# Altium PCB PMSM_Driver.PcbDoc (part 2 of 4) (continued)
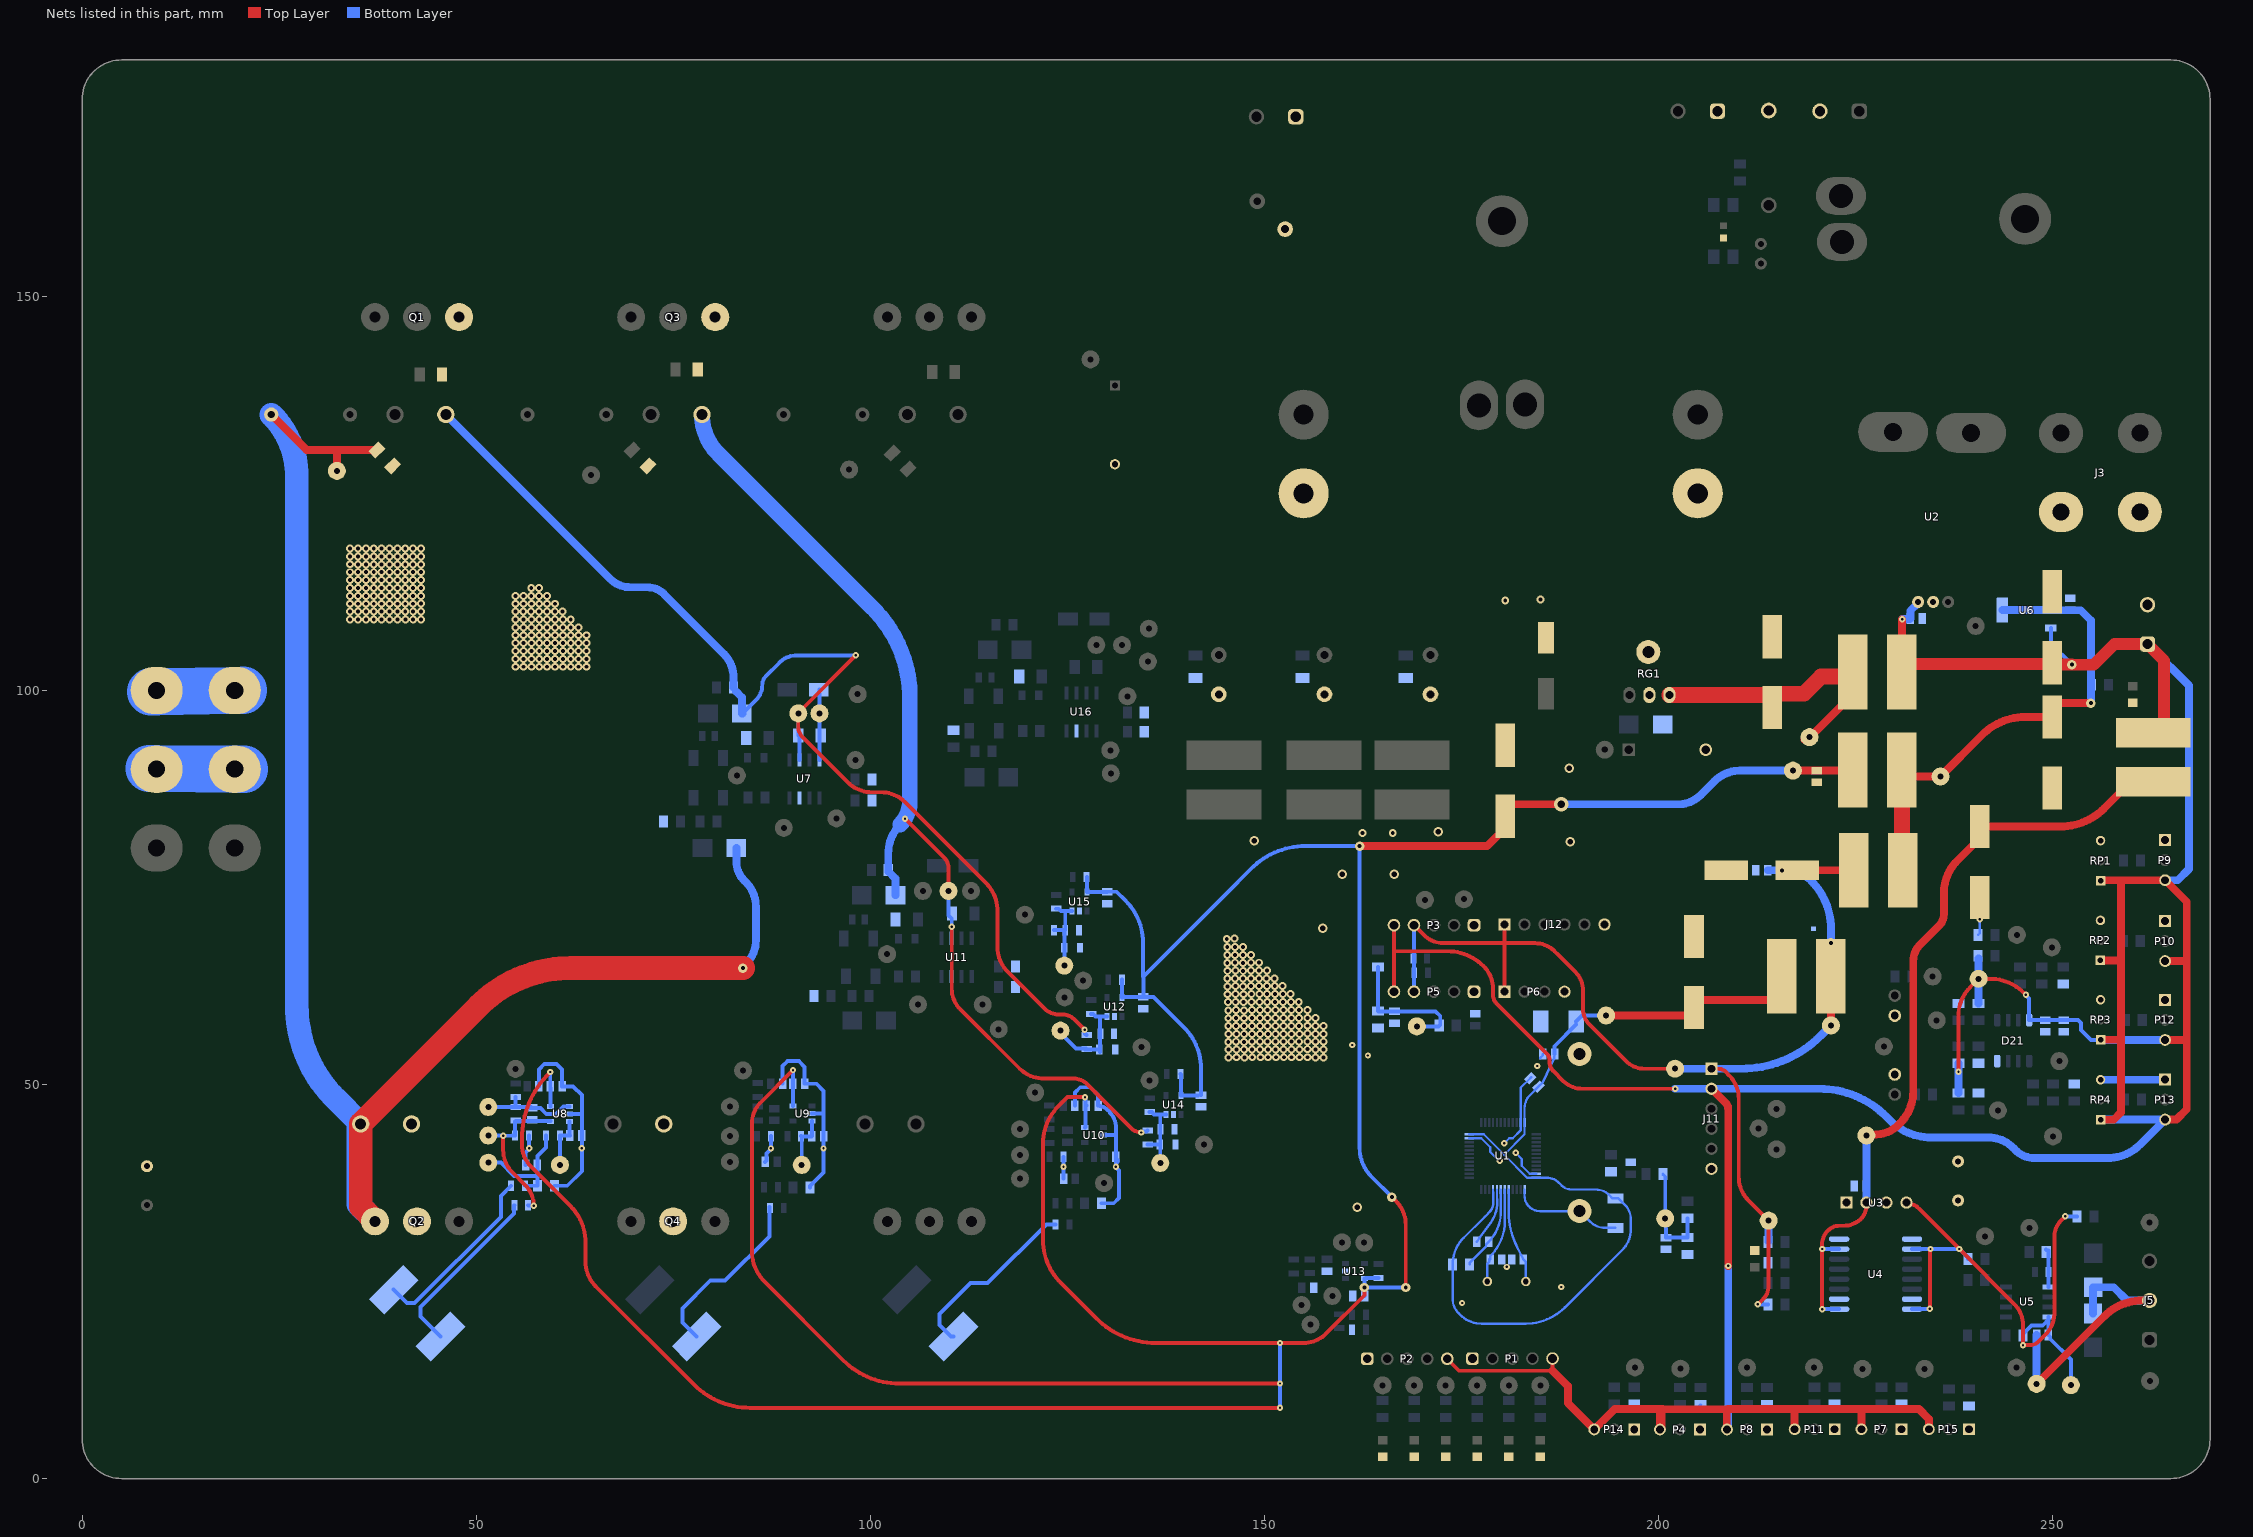
[diagram p2: the nets of this part, all layers, seen from the top]
## Nets (pads, with @x,y where several pads share a name; then routed paths per layer and width w, separated by ;. In a path a pad name is that pad's centre, name@x,y a point inside that pad or via, vN(x,y) a via of type N, cw(c..) or ccw(c..) an arc to the next point about the centre after c; other vN are vias at no path point)
+3V3: C32.1 C36.1 D13.1 J11.1 J12.1 L9.2 L10.2 P3.4 P5.4 P6.1 R13.2 R14.2 R46.1 R47.1 TP12.1 TP36.1 TP41.1 | length 147.3
  Top Layer w0.5: P3.4@168.996,70.213 170.243,68.966 ; 170.243,68.966 ccw(c172.754,71.473) 172.755,67.925 172.756,67.925 180.468,67.925 ; 180.468,67.875 180.468,61.777 P6.1@180.47,61.775 ; J12.1@180.468,70.302 180.468,67.925 ; 191.274,57.593 cw(c193.257,59.58) 190.45,59.582 190.45,61.964 ccw(c187.224,61.964) 189.503,64.247 187.255,66.495 186.849,66.901 ccw(c184.382,64.439) 184.382,67.925 180.468,67.925 ; 191.274,57.593 195.899,52.967 ; 195.9,52.967 ccw(c198.241,55.305) 198.243,51.996 199.989,51.997 199.99,51.997 TP36.1@202.126,51.997 ; J11.1@206.752,51.997 207.565,51.997 cw(c207.565,50.576) 208.571,51.578 208.924,51.226 cw(c205.889,48.164) 210.2,48.163 210.2,38.281 ccw(c214.439,38.279) 211.443,35.281 TP12.1@213.999,32.725 213.999,24.44 cw(c211.656,24.44) 213.311,22.782 v2(212.629,22.1)
  Top Layer w1: C32.1@217.625,77.175 L9.2@224.775,77.175 ; TP41.1@221.9,57.489 L10.2@221.9,63.725
  Bottom Layer w0.5: P5.4@168.996,61.773 P3.4@168.996,70.213 ; v2(212.629,22.1) R14.2@213.924,22.1 ; R13.2@213.924,30.025 R13.2@213.961,30.062 ; TP12.1@213.961,32.688 TP12.1@213.999,32.725
  Bottom Layer w1: TP36.1@202.126,51.997 J11.1@206.752,51.997 210.531,51.997 ccw(c210.535,66.175) 220.562,56.151 TP41.1@222.26,57.849 ; C36.1@213.875,77.175 v3(215.7,77.175) ; R13.2@213.961,30.062 TP12.1@213.961,32.688 ; v3@215.702,77.154 215.702,77.157 215.731,77.157 cw(c216.213,72.717) 219.371,75.875 cw(c213.279,69.775) D13.1@221.9,69.775 v3(221.9,67.975)
+3V3_All: C22.1 C23.1 C39.1 C40.1 C41.1 C59.1 C61.1 C62.1 C64.1 L8.2 R61.1 R65.1 R67.1 R68.1 TP31.1 U8.5 U9.5 U10.5 U12.5 U13.5 U14.5 U15.5 | length 531.4
  Top Layer w0.5: v2(59.401,51.575) 59.233,51.407 ccw(c67.499,43.138) 55.807,43.138 55.807,43.136 55.807,42.348 ccw(c59.747,42.363) 56.967,39.571 61.957,34.581 ; 61.957,34.581 cw(c61.603,34.228) 61.96,34.578 cw(c57.35,29.96) 63.875,29.959 63.875,29.958 63.875,29.05 63.875,27.505 ccw(c68.292,27.505) 65.17,24.38 77.616,11.934 ccw(c84.757,19.07) 84.759,8.975 v2(152,8.975) ; v2(90.198,51.825) 86.043,47.671 ccw(c88.809,45.018) 84.977,45.014 84.977,28.887 ccw(c90.499,28.885) 86.596,24.979 96.573,15.002 ccw(c103.696,22.12) 103.699,12.05 v5(152,12.05) ; v2(127.245,48.396) 125.026,48.396 123.886,47.256 ccw(c128.627,42.515) 121.922,42.514 121.922,42.512 121.922,30.28 ccw(c129.652,30.279) 124.188,24.812 128.649,20.351 ccw(c136.247,27.936) 136.253,17.2 v2(152,17.2) 154.977,17.2 ccw(c154.978,21.253) 157.846,18.389 162.712,23.255 v3(162.712,24.238) ; v3(166.2,35.7) 166.71,35.19 cw(c163.725,32.2) 167.95,32.2 v3(167.95,24.238) ; C22.1@179.555,81.522 180.575,82.542 C22.1@180.575,84.05 ; L8.2@224.592,89.825 L8.2@224.65,89.883
  Top Layer w1: v3(162.1,80.25) 178.283,80.25 C22.1@179.555,81.522 ; C22.1@180.575,84.05 180.575,84.8 181.325,85.55 v7(187.675,85.55) ; TP31.1@217.075,89.825 L8.2@224.592,89.825
  Bottom Layer w0.5: C40.1@59.401,49.575 59.426,49.55 59.426,47.25 U8.5@59.451,47.225 ; C40.1@59.401,49.769 v2(59.401,51.575) ; v2(90.198,51.825) 90.198,47.289 U9.5@90.223,47.264 ; U10.5@127.223,44.519 127.247,44.519 127.322,44.594 127.322,47.221 C41.1@127.422,47.321 127.303,47.44 127.303,48.339 v2(127.245,48.396) ; R65.1@127.485,76.325 127.485,74.437 U15.5@127.522,74.4 127.547,74.425 130.072,74.425 C61.1@130.097,74.45 131.275,74.45 132.405,73.32 cw(c127.095,68.006) 134.607,68.005 134.607,68.004 134.607,63.7 ; R61.1@131.951,63.3 131.95,61.05 132,61.05 132.025,61.075 C59.1@134.625,61.075 ; R67.1@139.376,51.325 139.413,51.288 139.413,48.637 U14.5@139.45,48.6 139.475,48.625 C62.1@141.617,48.625 ; C62.1@141.975,48.65 141.975,52.003 ccw(c134.558,52.003) 139.8,57.25 135.95,61.1 C59.1@134.65,61.1 134.65,63.7 145.016,74.066 148.343,77.393 cw(c155.237,70.504) 155.238,80.25 155.239,80.25 v3(162.1,80.25) 162.1,41.926 ccw(c167.216,41.919) 163.607,38.293 v3(166.2,35.7) ; v2(152,8.975) v5(152,12.05) v2(152,17.2) ; C64.1@162.725,23.163 162.712,23.175 v3(162.712,24.238) ; R68.1@164.5,25.442 162.904,25.442 162.825,25.363 U13.5@162.7,25.363 162.712,25.35 v3(162.712,24.238) ; v3(167.95,24.238) v3(162.712,24.238)
  Bottom Layer w1: v7(187.675,85.55) 202.504,85.55 ccw(c202.506,89.64) 205.4,86.75 207.144,88.494 cw(c210.355,85.287) 210.355,89.825 213.159,89.825 TP31.1@217.075,89.825
+5V: C8.1 C20.1 C75.1 C76.1 D21.8 J6.1 J11.2 L1.1 L7.2 P1.5 P2.5 P3.5 P4.3 P5.5 P7.3 P8.3 P9.3 P10.3 P11.3 P12.3 P13.3 P14.3 P15.3 R90.2 R91.2 R111.2 R113.2 RP1.1 RP2.1 RP3.1 RP4.1 TP90.1 U2.1 U6.3 | length 489.9
  Top Layer w0.5: P5.5@166.456,61.773 166.456,66.907 ; P3.5@166.456,70.213 166.456,66.907 ; P2.5@173.216,15.196 173.216,15.184 174.724,13.676 186.571,13.676 P1.5@186.571,15.221 ; 186.67,51.709 cw(c187.799,52.842) 186.2,52.844 186.2,53.11 ccw(c185.12,53.11) 185.884,53.874 185.881,53.876 179.457,60.301 cw(c180.528,61.376) 179.01,61.379 179.01,62.173 ccw(c175.016,62.175) 177.835,65.004 ccw(c173.242,60.41) 173.239,66.907 166.456,66.907 ; 186.67,51.709 187.921,50.459 ccw(c190.337,52.871) 190.338,49.457 190.339,49.457 v2(202.126,49.457) ; 200.387,8.695 200.518,8.825 ; P8.3@208.672,6.22 208.682,6.229 P8.3@208.713,6.229 ; 208.842,8.777 208.87,8.804 208.891,8.825 ; 217.295,8.81 217.31,8.825 ; v2(238.084,51.613) 238.062,51.635 238.062,58.686 238.062,58.687 cw(c243.232,58.687) 239.578,62.344 TP90.1@240.642,63.409 242.064,63.409 cw(c242.066,57.282) 246.401,61.611 246.404,61.609 v2(246.641,61.372)
  Top Layer w1: 186.571,13.676 188.525,11.722 188.525,9.562 P14.3@191.862,6.225 194.462,8.825 200.518,8.825 ; P4.3@200.205,6.22 200.205,8.746 ; 200.253,8.795 208.672,8.795 208.672,6.27 P8.3@208.713,6.229 ; P4.3@200.387,6.25 200.387,8.695 ; J11.2@206.752,49.457 208.534,47.675 cw(c207.71,46.851) 208.875,46.851 v2(208.875,26.975) ; 208.844,8.804 208.87,8.804 217.217,8.804 ; P11.3@217.295,6.251 217.295,8.81 ; 217.31,8.825 225.77,8.825 ; P7.3@225.77,6.25 225.77,8.825 ; L7.2@230.9,102.35 v2@230.9,109.001 ; P15.3@234.325,6.25 234.325,7.564 233.064,8.825 225.77,8.825 ; RP2.1@256.101,65.734 258.686,65.734 ; RP4.1@256.111,45.519 257.768,45.519 258.686,46.437 258.686,55.669 ; RP3.1@256.111,55.669 258.686,55.669 ; RP1.1@256.171,75.919 258.686,75.919 ; P13.3@264.306,45.544 265.744,45.544 267.05,46.85 267.05,55.861 ; P12.3@264.306,55.644 266.834,55.644 267.05,55.861 ; P10.3@264.306,65.654 266.996,65.654 267.05,65.6 ; 258.686,55.669 258.686,65.734 ; 258.686,65.734 258.686,75.919 ; 258.686,75.919 P9.3@264.306,75.919 267.05,73.175 267.05,65.6 ; 267.05,55.861 267.05,65.6
  Top Layer w1.5: L7.2@230.9,102.35 231.898,103.348 249.398,103.348 249.75,103.7 C20.1@250.075,103.375 ; C20.1@249.981,103.472 250.201,103.251 255.238,103.251 257.862,105.875 J6.1@262.075,105.875 264.175,103.775 264.175,95.775 263.05,94.65 L1.1@262.8,94.65 ; C20.1@250,103.5 250.225,103.275 v3(252.475,103.275)
  Bottom Layer w0.5: v2(246.641,61.372) 246.641,61.291 247.046,60.886 D21.8@247.046,58.168 247.05,58.172 251.416,58.172 C75.1@251.42,58.176 253.235,58.176 253.626,57.785 253.626,56.915 254.871,55.669 RP3.1@256.111,55.669 ; U6.3@249.8,107.9 249.825,107.875 249.825,105.925 v3(252.475,103.275)
  Bottom Layer w1: v2(202.126,49.457) J11.2@206.752,49.457 220.417,49.457 cw(c220.417,37.433) 228.921,45.933 228.922,45.932 229.422,45.432 229.423,45.431 ccw(c234.625,50.63) 234.626,43.275 234.629,43.275 241.872,43.275 cw(c241.872,38.802) 245.037,41.963 ccw(c247.792,44.198) 247.794,40.65 256.962,40.65 ccw(c256.964,46.558) 261.144,42.382 P13.3@264.306,45.544 264.293,45.532 256.143,45.532 RP4.1@256.131,45.519 ; P8.3@208.713,6.229 208.809,6.325 208.809,6.678 208.875,6.744 v2(208.875,26.975) ; v2(230.945,109.046) C8.1@231.904,109.046 ; C8.1@231.98,109.121 231.98,110.091 232.968,111.079 U2.1@232.968,111.221 ; R111.2@238.084,48.899 238.084,48.978 v2(238.084,51.613) ; v2(238.084,51.613) R91.2@238.084,52.692 ; R90.2@240.642,60.293 TP90.1@240.642,63.409 240.642,65.996 R113.2@240.654,66.008 ; RP3.1@256.118,55.637 264.298,55.637 P12.3@264.306,55.644 ; J6.1@262.075,105.875 262.55,105.4 267.325,100.625 267.325,77.35 265.894,75.919 P9.3@264.306,75.919
+5V_ISO: C10.1 R12.2 R15.2 R16.2 TP11.1 U3.4 U4.10 U4.16 U5.8 | length 77.2
  Top Layer w0.5: U3.4@231.644,35.07 231.738,34.976 231.872,34.842 cw(c231.872,33.402) 232.893,34.418 233.121,34.19 238.138,29.172 245.152,22.159 cw(c242.448,19.45) 246.276,19.449 246.276,19.447 v2(246.276,16.917) 247.121,16.917 ccw(c247.123,18.507) 248.249,17.384 249.067,18.202 ccw(c246.156,21.116) 250.275,21.116 250.275,30.813 250.274,30.814 cw(c252.883,30.814) 251.04,32.66 v2(251.64,33.26) ; v2(234.45,21.525) 234.492,21.567 234.492,29.073 v2(234.535,29.115)
  Bottom Layer w0.5: U4.16@232.185,21.495 232.2,21.51 234.435,21.51 v2(234.45,21.525) ; U4.10@232.185,29.115 v2(234.535,29.115) v2(238.196,29.115) 238.205,29.115 239.274,28.046 R16.2@239.274,27.87 ; v2(246.276,16.917) 246.276,18.347 247.343,19.414 248.773,19.414 249.512,20.153 U5.8@249.512,20.515 ; 249.5,20.153 C10.1@249.5,18.21 249.725,17.985 249.725,17.717 252.34,15.102 TP11.1@252.34,12.4 ; v2(251.64,33.26) R12.2@253.104,33.26
+5V_RS: C2.1 C3.1 L1.2 TP25.1 U3.2 U4.1 U4.7 | length 99.9
  Top Layer w0.5: v2(220.781,21.475) v2(220.781,29.115) 220.781,29.677 220.781,29.679 cw(c223.314,29.679) 221.524,31.471 cw(c222.982,30.014) 222.982,32.075 223.532,32.075 223.533,32.075 ccw(c223.534,35.187) 225.625,32.882 ccw(c224.02,34.64) 226.4,34.64 U3.2@226.4,35.01
  Top Layer w0.8: TP25.1@226.4,43.526 226.544,43.67 227.594,43.67 ; 236.225,71.609 236.225,71.61 ; 236.225,74.861 236.225,74.863 ; C2.1@240.775,81.232 C2.1@240.775,82.725 ; L1.2@258.55,87.014 258.55,87.025 259.925,88.4 L1.2@262.8,88.4
  Top Layer w1: 227.594,43.67 ccw(c227.596,47.688) 230.439,44.848 230.683,45.092 ccw(c226.664,49.114) 232.35,49.114 232.35,65.665 cw(c235.27,65.665) 233.207,67.732 235.617,70.142 ccw(c234.154,71.608) 236.225,71.609 ; 236.225,71.61 236.225,74.272 ; 236.225,74.861 236.225,74.272 ; C2.1@240.775,81.232 237.933,78.39 ccw(c242.042,74.273) 236.225,74.272 ; C2.1@240.775,82.725 250.997,82.725 ccw(c250.999,90.602) 256.57,85.034 L1.2@258.55,87.014
  Bottom Layer w0.5: v2(220.781,21.475) 220.791,21.485 222.925,21.485 U4.1@222.935,21.495 ; v2(220.781,29.115) U4.7@222.935,29.115
  Bottom Layer w1: U3.2@226.4,35.01 TP25.1@226.4,43.126
GND: BT1.1 C1.2 C2.2 C3.2 C4.2 C5.2 C6.2 C7.2 C8.2 C9.2 C11.2 C12.1 C13.1 C14.1 C15.2 C16.1 C17.2 C18.2 C19.1 C20.2 C21.2 C22.2 C23.2 C25.1 C27.1 C30.2 C31.2 C32.2 C33.1 C34.2 C35.2 C36.2 C37.2 C38.2 C39.2 C40.2 C41.2 C42.1 C43.1 C44.1 C46.2 C48.2 C50.1 C52.2 C54.2 C55.2 C56.2 C59.2 C60.1 C61.2 C62.2 C63.1 C64.2 C65.1 C66.1 C67.2 C68.2 C69.2 C71.1 C75.2 C76.2 C77.2 D1.2 D2.2 D3.2 D4.2 D5.2 D6.2 D7.2 D10.2 D12.2 D13.2 D21.4 J2.2 J3.1 J4.1 J6.2 J7.1 J11.6 J12.6 LED1.1 LED2.1 P1.1 P2.1 P3.1 P4.1 P5.1 P6.4 P7.1 P8.1 P9.1 P10.1 P11.1 P12.1 P13.1 P14.1 P15.1 R9.2 R17.1 R19.1 R24.1 R28.1 R29.1 R33.1 R36.1 R37.1 R51.2 R53.2 R54.1 R55.2 R56.1 R59.1 R62.2 R64.1 R73.1 R79.2 R80.2 R81.2 R83.2 R84.2 R87.2 R97.1 R98.1 R104.2 R105.1 R106.1 R108.1 R109.1 R110.1 R117.1 R118.2 R119.1 R120.1 R121.1 R122.1 R123.1 R124.1 R126.2 RG1.2 RP1.3 RP2.3 RP3.3 RP4.3 U1.8 U1.23 U1.35 U1.47 U2.2 U3.1 U4.2 U4.8 U6.1 U7.3 U8.2 U9.2 U10.2 U11.3 U12.2 U13.2 U14.2 U15.2 U16.3 VD1.2 VD2.1 ZD3.1 | length 192.1
  Bottom Layer w0.3: C77.2@124.425,38.157 124.518,38.063 C77.2@124.531,38.05 ; U1.23@176.025,43.175 177.525,43.175 178.677,42.023 178.677,41.446 179.796,40.327 v2(179.873,40.327) ; C9.2@176.965,30.025 177.285,30.55 178.69,32.423 ccw(c175.339,34.935) 179.48,34.315 179.544,34.736 ccw(c176.43,35.154) 179.546,34.755 179.546,34.774 ccw(c179.246,34.775) 179.546,34.779 179.527,36.272 U1.8@179.523,36.658 ; v2(180.439,42.523) 181.091,43.175 181.525,43.175 182.525,44.175 U1.35@182.525,45.175 182.525,49.579 C38.2@183.738,50.791 C38.2@183.879,50.933 ; v2(181.896,41.327) 182.677,40.546 182.677,39.675 183.675,38.677 184.523,38.677 U1.47@184.525,38.675 ; C35.2@185,53.349 185.325,53.674 C35.2@185.325,53.874 ; R119.1@240.58,68.984 240.775,69.179 v2(240.775,70.975)
  Bottom Layer w0.5: R36.1@45.47,18.03 42.95,20.55 42.95,21.75 54.816,33.616 54.816,34.641 R123.1@54.849,34.675 ; C37.2@56.278,39.785 56.278,41.345 56.752,41.819 v2(56.752,41.9) 56.717,41.935 56.717,43.49 R51.2@56.683,43.525 ; C52.2@57.956,49.769 57.956,51.92 58.635,52.6 60.175,52.6 60.901,51.875 C40.2@60.901,49.769 62.301,49.769 63.401,48.669 63.401,46.275 ; R37.1@59.95,37.15 61.559,37.15 63.401,38.992 v2(63.401,41.9) C46.2@63.401,43.525 63.401,46.275 ; U8.2@61.851,46.275 63.401,46.275 ; R64.1@77.97,18.03 76.2,19.8 76.2,21.6 79.7,25.1 81.587,25.1 87.2,30.713 R122.1@87.2,34.48 ; C67.2@86.674,40.189 86.833,40.348 86.833,41.24 87.399,41.805 v2(87.399,41.886) R53.2@87.399,43.44 ; C56.2@88.873,50.089 88.873,52.342 89.481,52.95 90.939,52.95 91.673,52.217 C39.2@91.673,50.089 93.173,50.089 94.073,49.189 94.073,46.315 ; R73.1@92.376,36.95 92.376,37.126 94.072,38.822 v2(94.072,41.886) C48.2@94.073,43.44 94.073,46.315 ; U9.2@92.623,46.314 94.072,46.314 ; R117.1@110.57,18.03 110.27,18.03 108.8,19.5 108.8,20.875 112.725,24.8 114.9,24.8 122.343,32.243 R124.1@123.522,32.243 ; C77.2@124.518,38.05 124.518,38.063 v2(124.518,39.544) R55.2@124.518,40.821 ; C55.2@125.972,47.321 125.972,48.972 126.65,49.65 127.918,49.65 128.922,48.646 C41.2@128.922,47.321 129.147,47.287 cw(c128.733,45.297) 130.418,46.435 ccw(c130.831,46.716) 130.46,46.382 cw(c128.404,44.528) 131.172,44.528 131.172,43.569 ; R121.1@129.351,34.925 130.897,34.925 131.575,35.603 131.575,39.1 131.172,39.503 C54.2@131.172,40.171 ; U10.2@129.623,43.569 131.172,43.569 ; C54.2@131.397,40.171 131.397,40.396 131.172,40.396 C54.2@131.172,40.821 131.172,43.569 ; R62.2@205.285,9.209 R62.2@205.345,9.269 ; P13.1@264.281,50.599 P13.1@264.306,50.624
  Bottom Layer w1: RP4.3@256.131,50.599 P13.1@264.281,50.599
  other v1: 145.475,53.425 147.475,53.425 156.5,53.425 157.5,53.425 146.475,53.45 148.475,53.45 149.5,53.45 150.475,53.45 151.475,53.45 152.475,53.45 153.475,53.45 154.475,53.45 155.477,53.451 145.45,54.425 147.45,54.425 146.45,54.45 148.45,54.45 149.475,54.45 150.45,54.45 151.45,54.45 152.45,54.45 153.45,54.45 154.45,54.45 156.5,54.45 157.5,54.45 155.477,54.476 145.425,55.4 147.425,55.4 146.425,55.425 148.425,55.425 149.45,55.425 150.425,55.425 151.425,55.425 152.425,55.425 153.425,55.425 154.425,55.425 156.5,55.425 157.5,55.425 155.477,55.451 145.45,56.4 147.45,56.4 146.45,56.425 148.45,56.425 149.475,56.425 150.45,56.425 151.45,56.425 152.45,56.425 153.45,56.425 154.45,56.425 156.5,56.425 157.5,56.425 155.477,56.451 145.425,57.4 147.425,57.4 146.425,57.425 148.425,57.425 149.45,57.425 150.425,57.425 151.425,57.425 152.425,57.425 153.425,57.425 154.425,57.425 156.5,57.425 157.5,57.425 155.477,57.451 145.425,58.4 147.425,58.4 146.425,58.425 148.425,58.425 149.45,58.425 150.425,58.425 151.425,58.425 152.425,58.425 153.425,58.425 154.425,58.425 156.5,58.425 155.477,58.451 145.425,59.4 147.425,59.4 146.425,59.425 148.425,59.425 149.45,59.425 150.425,59.425 151.425,59.425 152.425,59.425 153.425,59.425 154.425,59.425 155.477,59.451 145.375,60.45 147.375,60.45 146.375,60.475 148.375,60.475 149.4,60.475 150.375,60.475 151.375,60.475 152.375,60.475 153.375,60.475 154.375,60.475 145.35,61.45 147.35,61.45 146.35,61.475 148.35,61.475 149.375,61.475 150.35,61.475 151.35,61.475 152.35,61.475 153.35,61.475 145.325,62.45 147.325,62.45 146.325,62.475 148.325,62.475 149.35,62.475 150.325,62.475 151.325,62.475 152.325,62.475 145.3,63.425 147.3,63.425 146.3,63.45 148.3,63.45 149.325,63.45 150.3,63.45 151.3,63.45 145.325,64.425 147.325,64.425 146.325,64.45 148.325,64.45 149.35,64.45 150.325,64.45 145.3,65.425 147.3,65.425 146.3,65.45 148.3,65.45 149.325,65.45 145.3,66.425 147.3,66.425 146.3,66.45 148.3,66.45 145.3,67.425 147.3,67.425 146.3,67.45 145.234,68.475 146.234,68.5
  other v2: 175.098,22.275 187.675,24.3 180.75,26.85 131.172,39.542 184.625,52.35
  other v4: 161.815,34.43 157.4,69.8 159.9,76.7 166.475,76.7 188.8,80.775 148.723,80.9 172.1,82.075 188.681,90.1
  other v5: 163.15,53.671 161.175,55
  other v6: 162.472,81.885 166.3,81.925 180.575,111.4 185.05,111.525
GND_2: C10.2 C60.2 J5.2 R22.1 R23.1 TP26.1 U3.3 U4.9 U4.15 U5.5 ZD1.1 ZD2.1 | length 40.7
  Top Layer w1: TP26.1@248,12.016 256.564,20.58 cw(c261.414,15.734) 261.414,22.59 J5.2@262.32,22.59
  Bottom Layer w0.5: R23.1@249.216,29.044 R23.1@249.252,29.008 ; U5.5@249.512,24.325 R23.1@249.512,28.931
  Bottom Layer w1: TP26.1@247.84,11.856 TP26.1@248,12.016 C10.2@248,18.21 ; ZD2.1@255.15,20.95 255.165,20.965 255.165,24.26 ZD1.1@255.18,24.275 257.789,24.275 259.475,22.59 J5.2@262.32,22.59
NetBT1_2: BT1.2 D14.1 U1.1 | length 13.9
  Bottom Layer w0.3: U1.1@183.025,36.675 183.025,35.867 183.025,35.865 ccw(c184.932,35.865) 183.584,34.516 ; 183.585,34.515 ccw(c184.985,35.916) 184.986,33.935 184.987,33.935 BT1.2@189.725,33.935 ; BT1.2@190,33.935 191.341,32.594 ccw(c193.262,34.511) 193.262,31.797 ; 193.263,31.797 D14.1@194.556,31.797
NetC1_1: C1.1 U1.5 Y1.2 | length 12.2
  Bottom Layer w0.3: U1.5@181.025,36.675 181.025,33.672 ccw(c190.091,33.672) 181.709,30.217 ccw(c202.963,38.993) C1.1@182.877,27.8 183.19,27.487 Y1.2@183.19,25
NetC4_1: C4.1 U1.6 Y1.1 | length 12.3
  Bottom Layer w0.3: Y1.1@178.31,25 178.31,27.287 178.559,27.536 C4.1@178.559,27.8 ; C4.1@178.671,27.8 178.671,28.204 ccw(c174.185,32.69) 180.525,32.913 cw(c180.825,32.921) 180.525,32.919 U1.6@180.525,36.675
NetC9_1: C9.1 R34.1 U1.7 | length 10.9
  Bottom Layer w0.3: R34.1@176.051,27.169 176.051,27.345 178.135,29.429 178.135,29.7 C9.1@178.46,30.025 ccw(c174.485,33.884) 180.025,33.884 180.026,34.576 180.026,36.228 U1.7@180.025,36.675
NetC16_2: C16.2 R7.1 R17.2 R127.2 TP13.1 | length 18
  Bottom Layer w0.5: R7.1@164.45,64.899 R17.2@164.45,59.315 164.501,59.264 C16.2@166.525,59.264 171.751,59.264 172.329,58.686 172.329,57.604 R127.2@172.2,57.475 ; TP13.1@169.354,57.371 172.122,57.371 R127.2@172.278,57.528
NetC19_2: C19.2 R10.1 R19.2 R128.1 TP16.1 | length 13.9
  Bottom Layer w0.4: TP16.1@199.96,32.95 TP16.1@200.35,32.56 ; R128.1@200.576,38.625 200.875,38.326 TP16.1@200.875,33
  Bottom Layer w0.5: TP16.1@200.425,32.86 cw(c199.106,31.536) 200.975,31.536 C19.2@200.975,30.575 200.988,30.588 203.704,30.588 R19.2@203.717,30.601 203.7,30.618 R10.1@203.7,33.024
NetC21_1: C21.1 L7.1 RG1.3 TP27.1 | length 37.1
  Top Layer w1: TP27.1@218.514,93.748 218.862,93.748 219.505,94.391 219.566,94.391 224.65,99.475 L7.1@224.65,102.35
  Top Layer w2: RG1.3@201.392,99.414 C21.1@214.2,99.414 ; C21.1@214.45,97.825 214.45,99.325 214.7,99.575 218.475,99.575 220.65,101.75 224.05,101.75 L7.1@224.65,102.35
NetC24_1: C24.1 C28.1 C29.2 J8.1 Q1.3 Q2.2 R26.1 R66.1 TP35.1 U7.6 VD3.1 VD4.2 ZD4.1 | length 160.2
  Top Layer w0.5: v2(98.15,104.45) 98.15,104.409 90.869,97.129 TP35.1@90.869,97.088 90.869,95.399 90.869,95.398 ccw(c92.719,95.397) 91.413,94.087 97.179,88.321 ccw(c100.176,91.314) 100.179,87.078 101.411,87.078 101.412,87.078 cw(c101.413,82.831) 104.418,85.832 114.668,75.582 cw(c111.095,72.003) 116.152,72.003 116.152,67.393 116.152,67.391 ccw(c120.479,67.39) 117.421,64.329 122.149,59.601 ; 122.149,59.601 ccw(c123.899,61.348) 123.902,58.875 124.459,58.875 cw(c124.459,56.915) 125.847,58.299 126.358,57.788 v2(127.196,56.95)
  Bottom Layer w0.5: ZD4.1@83.814,97.088 85.524,98.798 ccw(c83.657,100.669) 86.3,100.665 cw(c87.945,100.669) 86.783,101.833 88.464,103.514 cw(c90.722,101.259) 90.722,104.45 v2(98.15,104.45) ; C28.1@90.869,94.288 TP35.1@90.869,96.703 ; C28.1@91.02,94.288 91.02,91.192 U7.6@91.024,91.188 ; v2(127.196,56.95) 127.254,56.893 127.254,56.382 127.328,56.382 R66.1@127.456,56.254
  Bottom Layer w1: VD3.1@46.15,135 66.98,114.17 ccw(c69.592,116.776) 69.593,113.086 69.596,113.089 71.734,113.089 cw(c71.735,110.127) 73.836,112.214 81.427,104.623 81.428,104.622 cw(c78.516,101.702) 82.64,101.696 R26.1@82.64,100.388 ; R26.1@82.968,99.884 83.714,99.138 ZD4.1@83.714,97.088 ZD4.1@83.814,97.088
  Bottom Layer w6: J8.1@8.725,99.824 9.463,99.836 J8.1@19.366,100 J8.1@20.449,100.018
  other v1: 34,109 35,109 36,109 37,109 38,109 39,109 40,109 41.011,109.011 42.011,109.011 43.011,109.011 34,110 35,110 36,110 37,110 38,110 39,110 40,110 41,110 42.011,110.011 43.011,110.011 34,111 35,111 36,111 37,111 38,111 39,111 40,111 41,111 42,111 43.011,111.011 34,112 35,112 36,112 37,112 38,112 39,112 40,112 41,112 42,112 43,112 34,113 35,113 36,113 37,113 38,113 39,113 40,113 41,113 42,113 43,113 34,114 35,114 36,114 37,114 38,114 39,114 40,114 41,114 42,114 43,114 34,115 35,115 36,115 37,115 38,115 39,115 40,115 41,115 42,115 43,115 35,116 36,116 37,116 38,116 39,116 40,116 41,116 42,116 43,116 34.011,116.011 36,117 37,117 38,117 39,117 40,117 41,117 42,117 43,117 34.011,117.011 35.011,117.011 34.011,118.011 35.011,118.011 36.011,118.011 37,118 38,118 39,118 40,118 41,118 42,118 43,118
NetC26_2: C26.2 C29.1 Q2.3 R35.2 R36.2 TP38.1 VD4.1 ZD5.1 | length 233.8
  Top Layer w1: C26.2@23.962,135.037 C26.2@24,135 28.492,130.508 32.204,130.508 ; TP38.1@32.325,127.856 32.325,130.387 32.204,130.508 ; Q2.3@37.166,32.635 Q2.3@37.166,32.683 ; C29.1@37.392,130.508 37.216,130.331 37.003,130.331 36.827,130.508 32.204,130.508 ; 61.986,64.775 61.988,64.775
  Top Layer w3: VD4.1@35.35,44.955 35.35,34.499 Q2.3@37.166,32.683 ; VD4.1@35.35,45 50.271,59.921 cw(c61.979,48.227) 61.986,64.775 ; 61.988,64.775 v3(83.85,64.775)
  Bottom Layer w0.5: R36.2@39.53,23.97 41.225,22.275 42.2,22.275 53.135,33.21 53.135,35.855 R35.2@54.43,37.15
  Bottom Layer w1: C26.2@24,135 C26.2@24.005,134.995 ; 32.08,48.27 32.081,48.269 ; 35.909,33.94 37.166,32.683 Q2.3@37.166,32.635 ; ZD5.1@83.014,79.988 83.014,78.286 83.014,78.284 ccw(c86.388,78.283) 84.004,75.896 84.005,75.895 84.198,75.702 84.201,75.699 cw(c81.109,72.606) 85.483,72.606 85.483,68.24 85.483,68.238 cw(c81.378,68.237) 84.279,65.333 83.85,64.904 v3(83.85,64.775)
  Bottom Layer w3: C26.2@24.005,134.995 cw(c16.154,127.154) 27.25,127.154 27.25,59.932 ccw(c43.735,59.928) 32.08,48.27 ; 32.081,48.269 VD4.1@35.35,45 35.025,44.675 35.025,34.824 35.909,33.94
NetC28_2: C28.2 D9.1 TP29.1 U7.8 | length 8.9
  Bottom Layer w0.5: U7.8@93.564,91.188 93.564,94.288 TP29.1@93.564,97.088 D9.1@93.564,100.088
NetC30_1: C30.1 C31.1 L8.1 L9.1 R31.2 TP34.1 U6.2 U6.4 | length 62.8
  Top Layer w0.5: L9.1@230.9,77.3 L9.1@231.025,77.175 ; L8.1@230.9,89.075 L8.1@230.9,89.883
  Top Layer w1: L8.1@230.9,89.075 TP34.1@235.8,89.075 241.102,94.377 cw(c246.526,88.957) 246.527,96.625 246.53,96.625 C30.1@250,96.625 ; C30.1@250.02,96.653 250.02,97.65 250.77,98.4 v3(254.875,98.4)
  Top Layer w2: L9.1@230.9,77.3 L8.1@230.9,89.075
  Bottom Layer w1: U6.4@243.65,110.2 U6.2@249.8,110.2 ; U6.2@250.025,110.175 C31.1@252.275,110.175 253.6,110.175 254.875,108.9 v3(254.875,98.4)
NetC33_2: C33.2 C34.1 C35.1 C38.1 D14.2 L10.1 R34.2 TP40.1 U1.9 U1.24 U1.36 U1.48 | length 122.2
  Top Layer w0.5: C34.1@203.505,58.75 204.525,59.77 C34.1@204.525,59.775
  Top Layer w1: TP40.1@193.375,58.75 C34.1@203.505,58.75 ; C34.1@204.505,59.775 204.505,60.7 214.275,60.7 215.65,62.075 L10.1@215.65,63.725
  Bottom Layer w0.3: 173.899,22.798 ccw(c176.485,22.797) 174.657,20.968 174.858,20.767 ccw(c177.553,23.459) 177.555,19.65 183.152,19.65 ; 173.899,22.799 R34.2@173.899,27.169 cw(c178.68,27.169) 175.297,30.547 177.98,33.197 178.407,33.625 178.595,33.845 ccw(c177.505,34.935) 179.047,34.936 179.029,36.349 179.027,36.349 U1.9@179.025,36.675 ; U1.24@176.025,43.675 176.027,43.673 177.856,43.673 180.439,41.089 ; 183.025,46.993 U1.36@183.025,45.175 183.025,43.675 180.439,41.089 ; 183.025,46.994 cw(c185.35,46.994) 183.707,48.64 C38.1@184.798,49.731 185.324,50.256 186.798,53.357 C35.1@186.825,53.874 ; 183.154,19.65 ccw(c183.155,26.701) 188.141,21.716 195.425,29 ccw(c192.811,31.623) 196.514,31.625 196.514,32.91 ccw(c193.969,32.91) 195.767,34.711 194.931,35.547 194.181,35.547 193.761,35.967 ccw(c192.054,34.263) 192.054,36.675 188.94,36.675 ; 187.742,37.171 187.392,37.521 ccw(c185.815,35.947) 185.815,38.175 U1.48@184.525,38.175 183.353,38.175 180.439,41.089 ; 187.742,37.171 ccw(c188.939,38.366) 188.939,36.675 ; C33.2@189.575,57.6 C33.2@189.575,58
  Bottom Layer w0.5: C35.1@186.825,53.874 186.825,54.85 C33.2@189.575,57.6 ; C33.2@189.575,58 190.325,58.75 TP40.1@193.375,58.75
NetC37_1: C37.1 R35.1 R37.2 R39.2 TP42.1 | length 15.5
  Bottom Layer w0.5: TP42.1@51.535,39.785 51.825,40.075 53.135,40.075 54.805,38.404 57.788,38.404 ; R35.1@56.181,37.15 R37.2@57.798,37.15 ; R37.2@57.798,37.15 57.788,37.16 57.788,38.404 ; R39.2@58.875,43.525 58.875,42.001 57.791,40.917 57.791,39.798 C37.1@57.778,39.785 57.788,39.775 57.788,38.404
NetC42_2: C42.2 R66.2 R69.2 R79.1 TP71.1 U12.3 | length 14.5
  Bottom Layer w0.5: TP71.1@123.941,56.32 123.429,56.832 TP71.1@124.145,56.832 ; TP71.1@124.675,56.832 124.573,56.73 124.573,56.093 126.098,54.567 127.391,54.567 R66.2@127.456,54.502 ; R66.2@127.219,54.464 129.135,54.464 C42.2@129.174,54.425 ; R69.2@128.025,58.949 128.301,58.949 128.6,58.65 129.075,58.65 ; C42.2@129.174,54.124 C42.2@129.174,54.425 ; U12.3@130.05,58.65 129.075,58.65 ; 129.075,58.65 129.174,58.551 129.174,56.45 C42.2@129.174,54.425
NetC43_2: C43.2 R70.2 R72.2 R80.1 TP72.1 U15.3 | length 11
  Bottom Layer w0.5: R70.2@123.326,69.575 R80.1@124.746,69.575 124.746,69.957 124.746,72 ; R72.2@123.597,72.299 123.873,72.299 124.172,72 124.746,72 ; TP72.1@124.622,64.45 C43.2@124.622,67.349 ; C43.2@124.622,67.351 124.622,67.726 R80.1@124.623,69.452 ; U15.3@125.622,72 124.746,72
NetC44_2: C44.2 R71.2 R74.2 R81.1 TP73.1 U14.3 | length 10.5
  Bottom Layer w0.5: R71.2@135.207,42.402 135.218,42.391 136.573,42.391 136.8,42.164 TP73.1@136.8,40.032 TP73.1@136.8,39.4 ; R74.2@135.45,46.499 135.726,46.499 136.025,46.2 136.788,46.2 ; C44.2@136.8,42.38 136.8,46.187 136.788,46.2 ; U14.3@137.55,46.2 136.788,46.2
NetC45_1: C45.1 C57.1 C58.2 J9.1 Q3.3 Q4.2 R45.1 R71.1 TP60.1 U11.6 VD5.1 VD6.2 ZD6.1 | length 142.2
  Top Layer w0.5: v2(104.404,83.729) 109.53,78.603 cw(c108.288,77.525) 109.932,77.524 109.932,77.522 TP60.1@109.932,74.555 ; v2(110.341,70.015) 110.341,62.156 110.341,62.154 ccw(c114.038,62.153) 111.426,59.537 118.907,52.056 ccw(c122.057,55.201) 122.059,50.75 125.77,50.75 cw(c125.77,48.219) 127.562,50.006 ; 127.562,50.006 132.642,44.926 133.095,44.473 133.147,44.421 ccw(c134.407,45.678) v2(134.407,43.898)
  Bottom Layer w0.5: TP60.1@109.932,74.555 109.932,71.462 110.341,71.053 v2(110.341,70.015) U11.6@110.341,68.548 ; v2(134.407,43.898) 134.488,43.898 134.616,44.026 135.079,44.026 R71.1@135.207,44.154
  Bottom Layer w1: VD5.1@78.65,134.995 VD5.1@78.65,135 ; R45.1@102.291,77.039 103.216,76.114 ZD6.1@103.216,74.015 ; R45.1@102.291,77.215 102.291,79.315 cw(c107.455,79.319) 103.804,82.972 103.806,82.974 ; 105.024,99.794 cw(c104.025,99.749) 105.025,99.749 ; 105.025,85.915 105.025,85.917
  Bottom Layer w2: VD5.1@78.65,134.995 ccw(c85.639,134.995) 80.704,130.046 100.309,110.441 ; 100.309,110.441 cw(c88.925,99.032) 105.024,99.794 ; 103.806,82.974 ccw(c100.869,85.914) 105.025,85.915 ; 105.025,85.917 105.025,99.749
  Bottom Layer w6: J9.1@8.525,90.1 9.461,90.091 19.366,89.997 J9.1@20.574,89.985
  other v1: 55,103 56,103 57,103 58,103 59,103 60,103 61,103 62,103 63,103 64,103 55,104 56,104 57,104 58,104 59,104 60,104 61,104 62,104 63,104 64,104 55,105 56,105 57,105 58,105 59,105 60,105 61,105 62,105 63,105 64,105 55,106 56,106 57,106 58,106 59,106 60,106 61,106 62,106 63,106 64,106 55,107 56,107 57,107 58,107 59,107 60,107 61,107 62,107 63,107 64,107 55,107.975 56,107.975 57,107.975 58,107.975 59,107.975 60,107.975 61,107.975 62,107.975 63,107.975 55,109 56,109 57,109 58,109 59,109 60,109 61,109 62,109 54.975,110 55.975,110 56.975,110 57.975,110 58.975,110 59.975,110 60.975,110 55,111 56,111 57,111 58,111 59,111 60,111 55.011,111.996 56.011,111.996 56.986,111.986 57.986,111.986 58.986,111.986 56.986,112.998 57.986,112.998
NetC46_1: C46.1 R39.1 TP50.1 U8.3 | length 6.8
  Bottom Layer w0.5: TP50.1@60.626,39.8 R39.1@60.626,43.525 C46.1@61.851,43.525 ; U8.3@61.851,45.325 C46.1@61.851,43.525 ; C46.1@61.901,43.525 C46.1@61.851,43.525
NetC47_1: C47.1 R49.2 R51.1 R123.2 TP57.1 U8.4 | length 20.6
  Top Layer w0.5: v2(53.43,43.49) 53.43,41.676 ccw(c57.41,41.674) 54.597,38.858 56.213,37.243 cw(c53.588,34.613) v2(57.303,34.613)
  Bottom Layer w0.3: R49.2@55.007,45.399 R49.2@55.044,45.362 ; U8.4@59.413,45.362 U8.4@59.451,45.325
  Bottom Layer w0.5: TP57.1@51.535,43.525 51.552,43.508 53.412,43.508 v2(53.43,43.49) R51.1@54.626,43.49 ; R51.1@54.626,43.525 R51.1@54.931,43.525 R49.2@54.931,45.323 ; R49.2@55.044,45.362 57.107,45.362 U8.4@59.413,45.362 ; R123.2@56.601,34.675 56.632,34.644 57.272,34.644 v2(57.303,34.613)
NetC47_2: C47.2 R41.2 R49.1 TP61.1 U8.1 | length 12.7
  Bottom Layer w0.5: TP61.1@51.535,47.151 R49.1@55.007,47.151 ; R41.2@55.006,48.393 R49.1@55.007,47.151 ; C47.2@56.752,47.025 C47.2@57.107,47.025 ; U8.1@61.851,47.225 61.101,47.225 60.151,46.275 58.889,46.275 58.139,47.025 C47.2@57.107,47.025 ; R49.1@55.007,47.151 56.981,47.151 C47.2@57.107,47.025
NetC48_1: C48.1 R40.1 TP48.1 U9.3 | length 7.2
  Bottom Layer w0.5: R40.1@91.239,43.44 91.308,43.371 TP48.1@91.308,39.4 ; R40.1@91.366,43.414 92.573,43.414 92.598,43.439 92.598,45.339 U9.3@92.623,45.364